# Altium PCB LimeSDR-USB_1v4.PcbDoc (part 5 of 10) (continued)
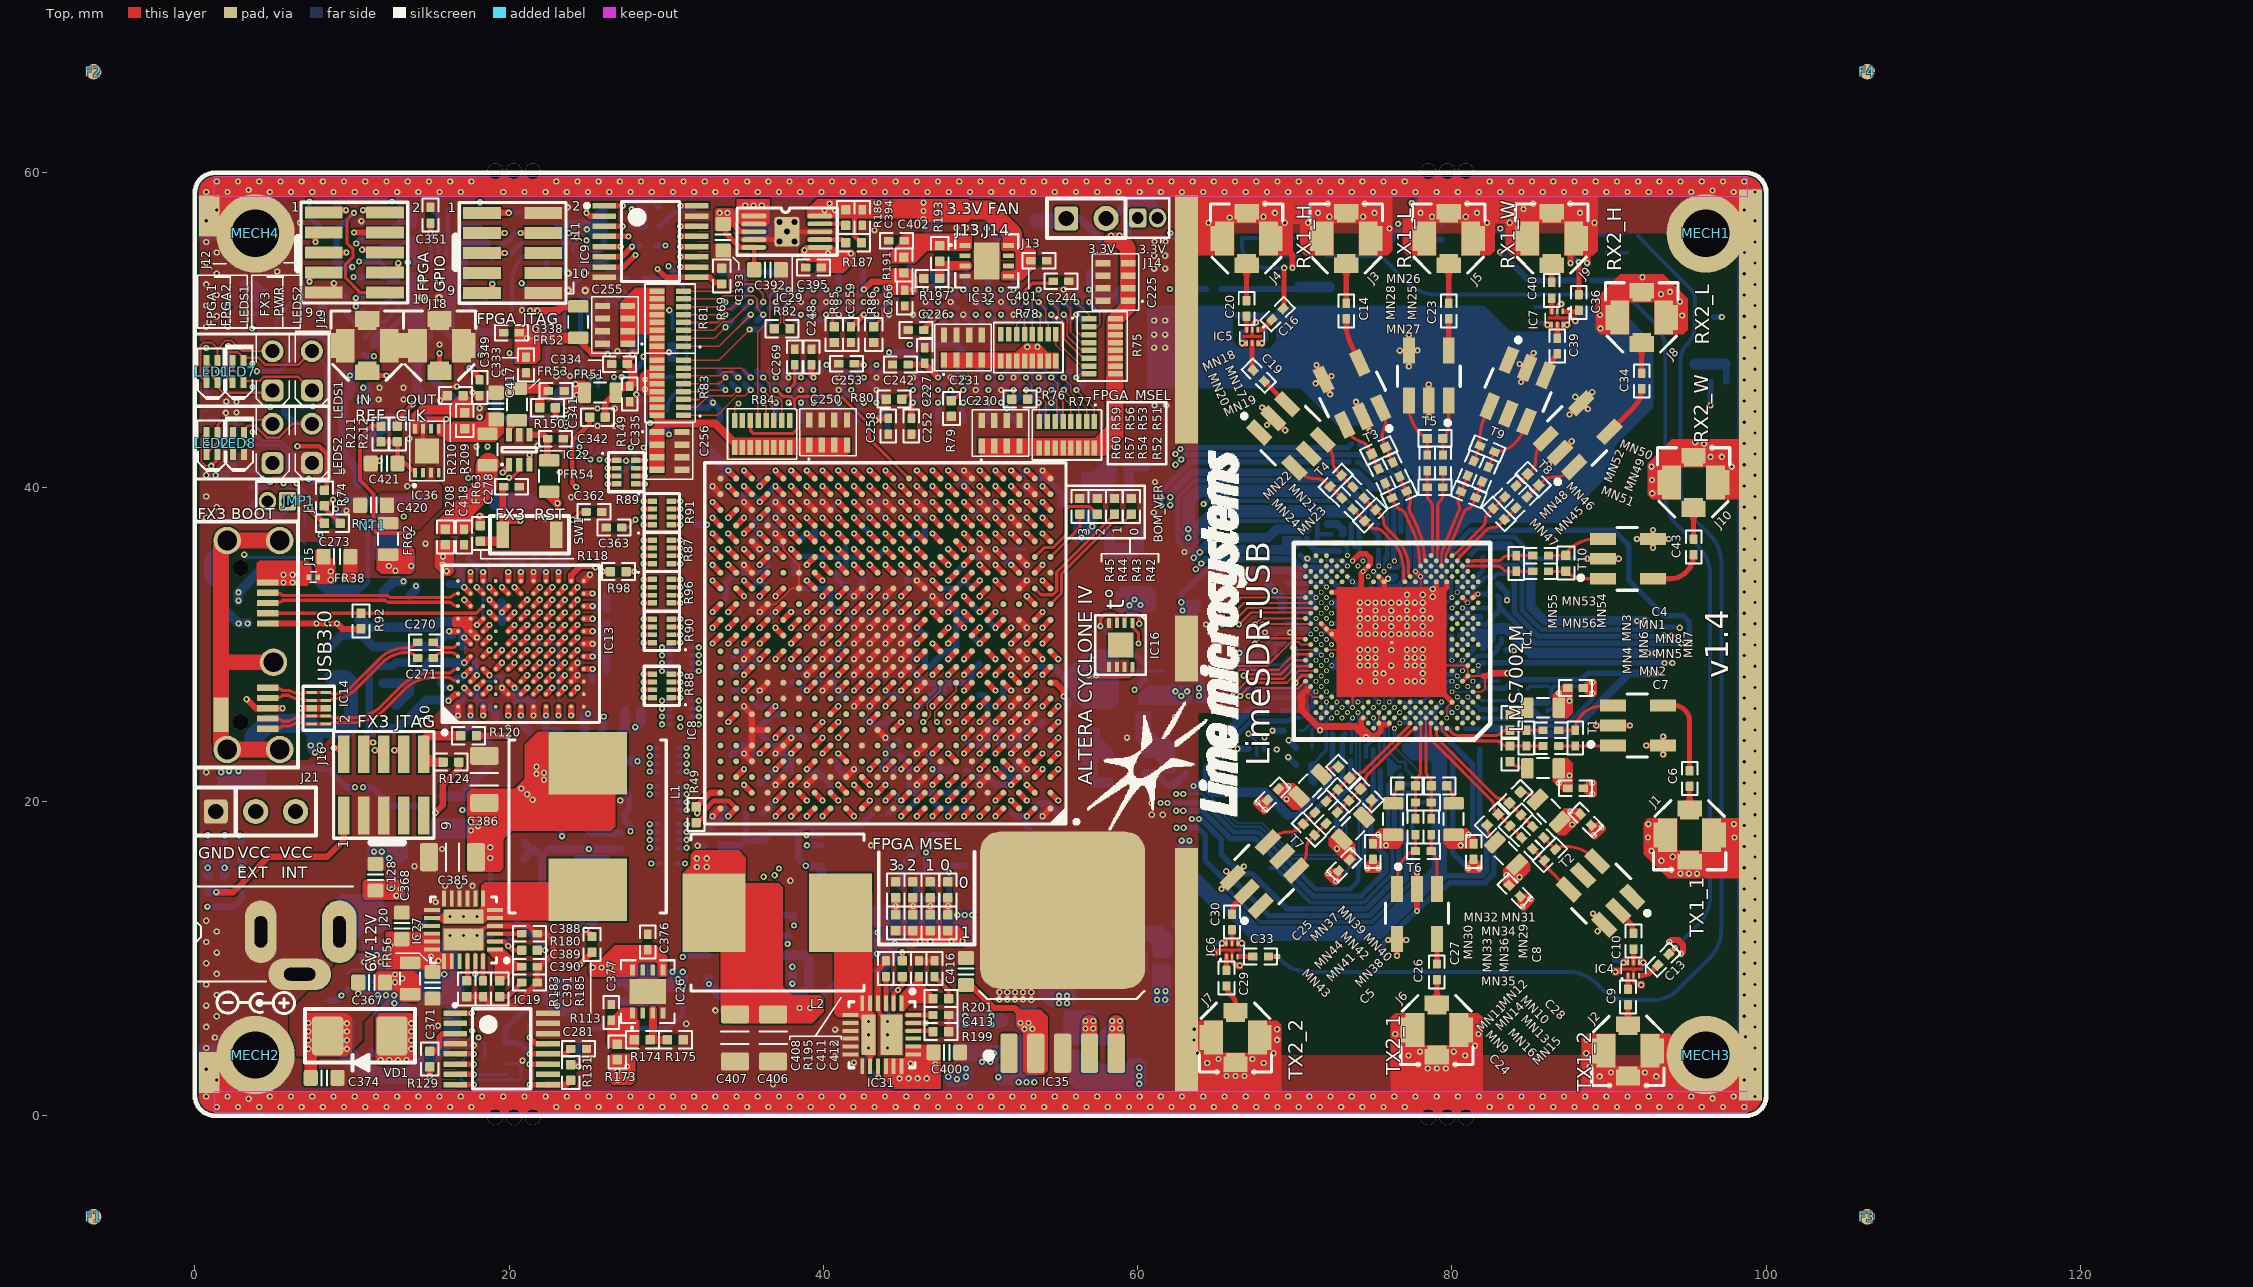
[diagram p0: Top view]
## Nets (pads, with @x,y where several pads share a name; then routed paths per layer and width w, separated by ;. In a path a pad name is that pad's centre, name@x,y a point inside that pad or via, vN(x,y) a via of type N, cw(c..) or ccw(c..) an arc to the next point about the centre after c; other vN are vias at no path point) (continued)
  Top w0.1: IC8.P19@36.45,32.55 36.95,32.55 37.95,33.55 IC8.R17@38.45,33.55 IC8.T17@38.45,34.55 38.45,35.045 37.45,36.045 IC8.V18@37.45,36.55
  Top w0.11: 70.876,27.173 70.876,26.899 71.129,26.646 IC1.G31@71.681,26.646 ; IC1.T30@72.014,29.643 75.661,29.643 ; v4(73.679,25.98) 73.679,27.661 75.154,29.136 75.661,29.643 ; IC1.B20@75.344,24.981 IC1.D20@75.344,25.647 ; 78.008,31.99 v4(78.008,34.305) ; v4(79.673,25.314) 79.673,25.98 IC1.F6@80.006,26.313 ; IC1.L3@81.002,27.978 IC1.N3@81.002,28.545 ; IC1.L3@81.005,27.978 82.022,27.978 82.1,27.9 82.1,27.175 81.904,26.979 IC1.H2@81.338,26.979 IC1.H2@81.335,26.976 ; IC1.N3@81.005,28.644 77.675,28.644 77.63,28.644 76.146,30.128 75.661,29.643
  Top w0.2: R210.1@15.925,45.825 R210.1@16.075,45.825 ; IC27.25@17.1,11.225 17.7,11.825 18.25,11.825 18.4,11.975 18.625,11.975 IC27.4@18.725,12.075 ; IC31.4@43.475,6.775 43.575,6.675 43.575,6.45 43.725,6.3 43.725,5.75 IC31.25@44.325,5.15
  Top w0.25: IC36.9@14.525,42.55 IC36.7@14.525,43.7 14.525,44.05 14.8,44.325 v1(16,44.325)
  Top w0.3: IC29.4@35.575,55.75 37.175,55.75 ccw(c37.175,56.25) IC29.11@37.675,56.25 IC29.8@39.775,56.25 ; 70.876,27.173 IC1.J33@71.015,27.312 ; IC1.K4@80.672,27.645 IC1.L3@81.005,27.978
  Top w0.309: R183.2@17.3,7.575 C391.2@18.35,7.575 18.95,6.975 20.3,6.975 C390.2@21.8,8.475 21.8,9.332 22.805,10.337 22.804,11.171 22.4,11.575 C388.2@21.8,11.575 21.681,11.575 21.176,12.08 IC27.4@18.725,12.08 ; IC31.4@43.47,6.775 43.471,9.226 43.975,9.731 C408.2@43.975,9.85 ; C411.2@46.218,9.85 C412.2@47.075,9.85 ; R199.2@47.975,5.35 C413.2@47.975,6.4
  Top w0.35: v1(65.334,14.431) T7.3@66.047,15.138 ; v1(65.639,15.556) T7.3@66.047,15.149 ; T7.3@66.052,15.144 T7.3@66.047,15.149 ; v1(66.759,15.856) T7.3@66.047,15.149 ; v1(68.233,43.953) T4.2@68.449,44.169 ; 70.426,26.723 70.876,27.173 ; IC1.AA31@71.681,31.308 IC1.Y30@72.014,30.975 IC1.W29@72.347,30.642 72.861,30.128 ; IC1.AG29@72.347,33.306 72.968,33.306 v1@74.228,32.046 ; v4(73.679,35.304) 74.129,35.754 74.531,35.754 74.795,35.491 74.795,35.088 v4(74.345,34.638) 74.228,34.521 v1@74.228,32.046 ; 73.875,24.769 73.875,24.675 74.475,24.075 75.074,24.075 75.461,24.462 75.461,24.864 ; IC1.C23@74.345,25.314 74.36,25.299 74.228,25.168 74.228,24.795 74.711,24.311 74.825,24.198 ; IC1.AK20@75.344,34.305 IC1.AJ19@75.677,33.972 v1@75.677,30.597 ; IC1.B18@76.01,24.981 75.893,24.864 75.461,24.864 ; v1(76.68,48.682) T5.4@77.256,48.682 ; v1(77.26,47.671) T5.4@77.264,48.675 ; v1(77.26,49.686) T5.4@77.256,48.682 ; v1@77.675,28.644 IC1.F6@80.006,26.313 ; v4(77.675,34.638) v4(78.008,34.305) ; v1(77.808,48.7) T5.4@77.256,48.682 ; IC1.AJ9@79.007,33.972 79.007,32.989 ; IC1.AJ7@79.673,33.972 79.673,33.655 79.007,32.989 ; v1(84.298,47.833) T9.2@84.796,47.599 ; T9.2@84.964,48.036 v1(85.198,48.533) ; v1(87.476,44.618) T8.4@88.173,45.339 ; v1@87.93,45.665 T8.4@88.256,45.351 ; T8.4@88.229,45.323 T8.4@88.256,45.351 ; v1(88.651,44.968) T8.4@88.256,45.351 ; v1(88.926,46.043) T8.4@88.256,45.351 ; v1(88.974,12.853) 89.681,12.141 v1(89.274,11.733) ; v1(91.769,36.694) T10.4@92.794,36.694 ; v1(92.794,36.144) T10.4@92.794,36.694 ; v1(92.794,37.269) T10.4@92.794,36.694 ; v1(93.794,36.694) T10.4@92.794,36.694 ; v1@74.228,32.046 v1@75.677,30.597 ; 75.461,24.864 75.431,24.864 75.374,24.922 75.374,24.981 75.461,24.894 75.461,24.864 ; v1@75.677,30.597 76.146,30.128 78.008,31.99 78.154,32.136 79.007,32.989
  Top w0.4: v1(3.3,26.5) 3.875,25.925 v1(5.575,25.925) ; J15.5@4.637,31.325 v1(9.05,31.325) 9.4,30.975 R92.1@10.575,30.975 ; J12.9@8.2,52.375 8.65,52.375 8.85,52.575 v1@8.85,52.95 ; v1(10.4,7.775) C367.1@10.4,8.475 ; v1(15.6,45.5) R210.1@15.925,45.825 ; v1(16.75,25.459) IC13.A1@16.75,26.025 ; v1(17.15,32.825) IC13.B9@17.55,32.425 ; IC13.B7@17.55,30.825 v1(17.95,30.425) ; v1(17.675,46.025) 17.875,45.825 C349.2@18.125,45.825 ; v1(18.75,32.025) IC13.D8@19.15,31.625 ; v1(19.55,27.225) IC13.E2@19.95,26.825 ; v1(21.55,25.459) IC13.G1@21.55,26.025 ; IC13.G11@21.55,34.025 v1(21.55,34.591) ; IC13.K3@23.95,27.625 v1(24.35,28.025) ; IC13.K4@23.95,28.425 v1(24.35,28.825) ; IC13.L6@24.75,30.025 v1(25.316,30.025) ; IC13.L11@24.75,34.025 v1(25.15,34.425) ; v1(32.95,19.05) IC8.A22@33.45,19.55 ; v1(32.95,40.05) IC8.AA22@33.45,39.55 ; v1(34.95,26.05) IC8.G20@35.45,25.55 IC8.F20@35.45,24.55 ; v1(34.95,29.05) IC8.L20@35.45,29.55 ; v1(34.95,35.05) IC8.T20@35.45,34.55 ; v1(34.95,39.05) IC8.Y20@35.45,38.55 ; IC8.D20@35.45,22.55 v1(34.95,23.05) IC8.E20@35.45,23.55 IC8.F20@35.45,24.55 ; IC8.V20@35.45,36.55 v1(35.95,36.05) ; v1(35.95,27.05) IC8.J19@36.45,27.55 ; v1(35.95,32.05) IC8.P19@36.45,32.55 ; IC8.F19@36.45,24.55 IC8.F20@35.45,24.55 ; v1(36.95,21.05) IC8.C18@37.45,21.55 ; v2(36.95,23.05) IC8.E18@37.45,23.55 v2(37.95,24.05) ; v2(36.95,37.05) IC8.V18@37.45,36.55 ; v1(36.95,39.05) IC8.Y18@37.45,38.55 ; v1(38.95,21.05) IC8.C16@39.45,21.55 ; v1(38.95,28.05) IC8.K16@39.45,28.55 ; v1(38.95,39.05) IC8.Y16@39.45,38.55 ; v1(39.95,27.05) IC8.J15@40.45,27.55 ; v1(39.95,29.05) IC8.L15@40.45,29.55 ; v1(39.95,31.05) IC8.N15@40.45,31.55 ; v1(39.95,39.05) IC8.Y15@40.45,38.55 ; IC8.C14@41.45,21.55 v1(41.95,22.05) ; v1(41.95,26.05) IC8.H13@42.45,26.55 ; v1(41.95,28.05) IC8.K13@42.45,28.55 ; v1(41.95,29.05) IC8.L13@42.45,29.55 ; v1(41.95,30.05) IC8.M13@42.45,30.55 ; v1(41.95,31.05) IC8.N13@42.45,31.55 ; v1(41.95,33.05) IC8.R13@42.45,33.55 ; v1(42.95,26.05) IC8.H12@43.45,26.55 ; v1(42.95,28.05) IC8.K12@43.45,28.55 ; v1(42.95,29.05) IC8.L12@43.45,29.55 ; v1(42.95,30.05) IC8.M12@43.45,30.55 ; v1(42.95,31.05) IC8.N12@43.45,31.55 ; v1(42.95,39.05) IC8.Y12@43.45,38.55 ; IC8.F12@43.45,24.55 v1(43.95,24.05) ; v1(43.95,28.05) IC8.K11@44.45,28.55 ; v1(43.95,29.05) IC8.L11@44.45,29.55 ; v1(43.95,30.05) IC8.M11@44.45,30.55 ; v1(43.95,31.05) IC8.N11@44.45,31.55 ; v1(43.95,33.05) IC8.R11@44.45,33.55 ; v1(43.95,39.05) IC8.Y11@44.45,38.55 ; v1(44.95,28.05) IC8.K10@45.45,28.55 ; v1(44.95,29.05) IC8.L10@45.45,29.55 ; v1(44.95,30.05) IC8.M10@45.45,30.55 ; v1(44.95,31.05) IC8.N10@45.45,31.55 ; v1(45.95,21.05) IC8.C9@46.45,21.55 ; v2(45.95,23.05) IC8.E9@46.45,23.55 ; v1(45.95,27.05) IC8.J9@46.45,27.55 ; v1(45.95,34.05) IC8.R9@46.45,33.55 ; v1(45.95,39.05) IC8.Y9@46.45,38.55 ; v1(46.95,33.05) IC8.P8@47.45,32.55 ; v1(48.95,41.05) IC8.AB6@49.45,40.55 ; v1(49.95,21.05) IC8.C5@50.45,21.55 ; v2(49.95,24.05) IC8.F5@50.45,24.55 ; v2(49.95,36.05) IC8.U5@50.45,35.55 ; v1(49.95,39.05) IC8.Y5@50.45,38.55 ; v1(51.95,24.05) IC8.F3@52.45,24.55 ; v1(51.95,26.05) IC8.H3@52.45,26.55 ; v1(51.95,38.05) IC8.W3@52.45,37.55 ; IC8.D3@52.45,22.55 v2(52.95,22.05) ; IC8.L3@52.45,29.55 v2(52.95,29.05) ; IC8.N3@52.45,31.55 v1(52.95,31.05) ; IC8.R3@52.45,33.55 v2(52.95,34.05) ; IC8.U3@52.45,35.55 v2(52.95,35.05) ; v1(52.95,25.05) IC8.G2@53.45,25.55 ; v1(52.95,40.05) IC8.AA2@53.45,39.55 ; v1(53.95,19.05) IC8.A1@54.45,19.55 ; v1(53.95,41.05) IC8.AB1@54.45,40.55 ; v1(67.923,45.071) T4.2@68.489,44.505 ; T4.2@68.82,44.187 v1(69.386,43.621) ; 69.575,55.025 69.855,54.745 v1(69.855,53.95) ; v1(71.326,46.599) T3.4@71.817,46.828 ; v1(71.376,47.774) 71.813,46.837 T3.4@71.817,46.828 ; T3.4@71.492,47.527 71.813,46.837 T3.4@71.817,46.828 ; T3.4@72.135,46.146 T3.4@71.817,46.828 ; v1(72.251,45.899) T3.4@71.817,46.828 ; v1(72.339,47.072) 71.833,46.836 T3.4@71.817,46.828 ; v1(73.901,45.424) 74.331,44.502 T3.2@74.66,43.796 ; T3.2@74.017,45.202 74.341,44.507 v1(74.776,43.574) ; v1(75.939,11.176) 76.514,11.176 v1(77.089,11.176) ; v1(76.51,10.174) T6.6@76.51,11.244 ; v1(77.775,13.03) T6.2@77.775,14.1 ; T6.2@77.78,14.424 v1(77.78,15.494) ; T5.2@78.522,45.732 v1(78.522,46.532) ; v1(78.53,44.473) T5.2@78.53,45.273 ; 82.022,27.978 82.303,27.978 82.475,28.15 v1(83.525,28.15) ; v1(84.398,46.683) 84.473,46.758 84.473,47.276 T9.2@84.796,47.599 ; T8.2@86.878,42.176 v1(87.62,42.918) ; v1@87.545,54.325 J9.2@87.545,54.925 ; T8.4@87.876,44.97 T8.4@88.229,45.323 ; v1(88.594,35.438) v1(90.619,35.438) ; v1@88.605,54.325 88.605,54.9 ; v1(89.186,24.823) T1.2@90.255,24.823 v1(91.325,24.823) ; v1(92.366,23.553) T1.6@93.435,23.553 T1.6@93.439,23.557 ; v1(93.441,22.978) 93.441,23.553 v1(93.441,24.128) ; T1.6@93.442,23.549 T1.6@93.446,23.553 ; v1(93.825,11.05) 93.95,11.175 94.407,11.175 94.7,10.882 94.7,10.425 v1(94.575,10.3)
  Top w0.45: 70.426,26.723 70.426,25.819 71.476,24.769 71.6,24.769 73.875,24.769
  Bottom w0.11: C57.2@70.876,31.599 70.924,31.599 71.211,31.311 71.653,31.311 C53.2@71.653,31.342
  Bottom w0.13: C75.2@76.351,23.614 76.351,23.461 78.523,21.289 78.523,20.227 C67.2@78.24,19.944
  Bottom w0.15: C47.2@69.571,29.219 69.571,29.114 69.151,28.694 68.407,28.694 68.226,28.875 68.226,29.989 68.221,29.994 68.221,30.006 68.965,30.75 v1(69.7,30.75)
  Bottom w0.17: v1(72.64,14.927) 72.64,14.939 74.065,16.364 74.065,19.989 74.531,20.455 C78.2@74.531,22.246
  Bottom w0.2: IC25.D2@11.138,8.513 IC25.C2@11.538,8.513 ; R160.2@11.775,55.35 13.075,55.35 13.25,55.525 ; C280.2@59.325,28.275 59.325,28.3 61.675,28.3 ; v1(67.05,24.3) 67.575,23.775 67.575,22.952 67.625,22.902 ; C65.2@72.846,26.769 72.846,26.699 73.564,25.98 v4(73.679,25.98) ; C73.2@76.956,26.814 76.956,27.463 v1(77.141,27.648) ; 78.651,32.544 C100.2@78.971,32.544 ; 78.971,32.224 C100.2@78.971,32.544 ; 78.971,32.864 C100.2@78.971,32.544
  Bottom w0.25: v1(20.825,51.25) 20.825,51.575 21.063,51.813 IC20.7@22.375,51.813 23.05,51.813 IC20.25@24.3,53.063 24.496,53.259 24.514,53.277 24.375,53.277 24.375,53.809 24.653,54.088 25.186,54.088 25.186,53.948 25.55,54.313 IC20.19@26.225,54.313 ; IC20.25@24.375,52.316 24.653,52.038 25.186,52.038 25.186,52.177 25.55,51.813 IC20.1@25.55,51.138 ; IC20.22@26.225,52.813 27,52.813 27.55,52.263 ; 63.251,35.924 65.177,37.85 71.29,37.85 C96.2@71.421,37.719 ; v1(65.334,14.431) 65.409,14.356 65.769,14.356 67.8,12.325 74.911,12.325 77.481,14.895 77.481,19.881 C66.2@77.544,19.944 C67.2@78.24,19.944 ; 68.45,15.756 68.817,15.756 70.998,13.575 74.393,13.575 76.231,15.413 76.231,17.375 75.925,17.681 75.925,21.07 C68.2@76.05,21.195 ; C72.2@84.806,27.144 84.987,27.325 86.15,27.325 86.325,27.15 ; C74.2@86.094,25.719 86.094,25.847 86.305,25.847 86.519,26.061 86.519,26.51 86.325,26.704 86.325,27.15 ; v1(88.93,27.572) 88.68,27.322 86.497,27.322 86.325,27.15
  Bottom w0.29: v1(64.2,38.925) 64.395,39.12 73.351,39.12 74.021,38.45 74.021,38.08 74.026,38.075 74.026,37.544 74.101,37.469
  Bottom w0.3: 11.3,48.9 11.3,49.057 11.325,49.082 11.325,49.35 11.45,49.475 11.875,49.475 13.1,50.7 IC23.10@14,50.7 ; IC20.12@22.375,54.313 IC20.11@22.375,53.813 IC20.25@23.55,53.813 ; v5(23.75,53.613) IC20.25@24.3,53.063 ; R114.1@23.9,13.275 24.11,13.485 24.11,16.254 24.306,16.45 26.25,16.45 27.125,15.575 ; IC20.25@24.496,53.259 24.35,53.259 24.35,53.82 24.55,54.02 IC20.16@24.55,54.988 ; 27.55,52.213 R140.1@28.55,51.213 ; C151.2@37.45,37.525 36.425,37.525 C103.2@36.425,38.575 37.4,39.55 C185.2@37.45,39.55 ; 63.233,35.942 63.047,36.128 62.952,36.128 62.572,36.509 62.572,39.341 63.656,40.425 73.77,40.425 75.295,38.9 75.321,38.9 ; 67.74,26.589 69.101,26.589 C61.2@69.876,26.589 70.28,26.589 70.376,26.685 ; C50.2@70.044,28.031 C51.2@70.756,28.031 ; C56.2@70.101,31.874 70.101,32.144 70.459,32.501 70.876,32.501 ; C45.2@70.201,33.314 71.008,33.314 v4(71.348,32.973) 70.876,32.501 ; C55.2@70.596,26.294 70.596,26.465 70.376,26.685 ; C51.2@70.801,28.031 70.801,27.499 70.666,27.364 70.547,27.364 70.376,27.192 70.376,26.685 ; C57.2@70.876,31.599 70.876,32.501 ; C96.2@71.421,37.719 71.421,36.654 C98.2@71.526,36.549 ; 71.561,36.999 C95.2@72.301,36.999 ; C58.2@72.851,30.739 74.051,30.739 v1(74.141,30.648) ; C48.2@72.851,31.839 73.951,31.839 v1(74.141,31.648) ; v1(74.141,29.648) 74.301,29.808 74.301,30.094 74.731,30.094 ; 74.871,33.249 C92.2@74.871,33.844 ; C86.2@75.321,38.419 75.321,38.9 ; C91.2@75.733,39.207 75.426,38.9 75.321,38.9 ; v2(75.926,34.169) 76.231,34.169 C85.2@76.376,34.314 ; v1(78.141,27.648) 78.576,27.648 C81.2@78.821,27.894 ; C93.2@80.451,35.749 80.451,35.919 81.357,36.825 83.975,36.825 85.362,35.438 v1(88.594,35.438) ; C83.2@81.149,25.836 81.697,25.289 82.546,25.289 82.573,25.262 85.092,25.262 85.535,24.819 87.251,24.819 88.93,26.498 v1(88.93,26.872) ; C89.2@82.506,34.869 82.686,35.049 84.06,35.049 84.455,34.654 84.455,32.153 85.676,30.931 92.625,30.931 92.794,31.1 94.1,31.1
  Bottom w0.309: v5(16.25,11.475) v5(17.1,11.475) R184.1@18.975,11.475 ; v5(44.075,4.3) v5(44.075,5.15) v5(44.075,6) R200.2@44.075,7.025 ; v1(74.141,27.648) 74.141,27.199 C79.2@74.546,26.794
  Bottom w0.35: 38.15,34.525 38.15,35.3 C104.2@38.45,35.6 39.375,35.6 C176.2@39.425,35.55 41.425,35.55 ; C105.2@41.45,36.55 41.425,36.525 41.425,35.55 ; v1(41.95,33.05) 40.8,34.2 C116.1@40.8,34.225 40.8,34.5 40.875,34.575 41.147,34.575 41.425,34.853 41.425,35.55 ; C107.2@42.425,35.525 42.4,35.55 41.425,35.55 ; 62.25,12.275 C32.1@63.7,10.825 ; 69.936,17.243 69.936,18.086 73.025,21.175 73.025,24.113 C62.2@73.201,24.289 ; C99.2@70.349,35.671 70.681,35.339 C97.2@71.451,35.339 ; C82.2@74.101,36.799 74.101,37.469 ; v4(74.345,34.638) 74.795,35.088 C88.2@74.795,35.369 ; 75.532,10.825 79.207,14.499 79.509,14.499 79.834,14.824 82.113,14.824 82.655,15.366 82.655,17.582 81.775,18.462 81.775,23.305 C87.2@81.771,23.309 ; C64.2@79.125,24.064 79.126,23.908 80.05,22.984 80.05,16.729 v1(81.03,15.749)
  Bottom w0.4: C361.1@9.55,52.175 C361.1@9.6,52.175 ; R127.1@15.646,27.875 15.646,27.504 15.925,27.225 v2(16.25,27.225) ; C325.1@22.475,47.788 C340.1@22.475,48.813 ; v1(32,17.175) C160.2@32.45,17.175 ; IC12.J3@37.375,47.375 v1(37.775,46.975) ; IC12.H2@38.175,46.575 v1(38.575,46.175) ; IC12.H8@38.175,51.375 v1(38.575,51.775) ; IC12.F8@39.775,51.375 v1(40.175,51.775) ; IC12.E3@40.575,47.375 v1(40.975,46.975) ; IC12.E7@40.575,50.575 v1(40.975,50.975) ; v1(40.975,46.175) IC12.D2@41.375,46.575 ; IC12.D8@41.375,51.375 v1(41.775,51.775) ; IC12.B2@42.975,46.575 v1(43.375,46.175) ; IC12.B8@42.975,51.375 v1(43.375,51.775) ; v1(43.375,46.975) IC12.A3@43.775,47.375 ; IC12.A7@43.775,50.575 v1(44.175,50.975) ; v1(45.7,46.975) IC11.A7@46.1,47.375 ; v1(45.7,50.975) IC11.A3@46.1,50.575 ; C201.2@46.45,29.55 C208.2@46.45,28.55 46.743,28.55 47.743,29.55 48.157,29.55 48.45,29.843 C114.2@48.45,30.391 ; v1(46.5,46.175) IC11.B8@46.9,46.575 ; v1(46.5,51.775) IC11.B2@46.9,51.375 ; v1(46.95,33.05) 46.98,33.05 47.48,32.55 48.425,32.55 C152.2@48.425,32.525 48.45,32.5 48.45,31.55 ; v1(48.1,46.975) IC11.D8@48.5,46.575 ; v1(48.1,51.775) IC11.D2@48.5,51.375 ; C114.2@48.45,30.525 48.45,31.55 ; v1(48.9,50.975) IC11.E3@49.3,50.575 ; C181.2@49.45,31.525 49.425,31.55 48.45,31.55 ; v1(49.7,46.175) IC11.F8@50.1,46.575 ; v1(49.7,51.775) IC11.F2@50.1,51.375 ; v1(51.3,46.175) IC11.H8@51.7,46.575 ; v1(51.3,51.775) IC11.H2@51.7,51.375 ; C157.2@51.45,22.575 51.45,21.843 51.743,21.55 52.45,21.55 v2(52.95,22.05) ; v1(52.1,46.975) IC11.J7@52.5,47.375 ; v1(52.1,50.975) IC11.J3@52.5,50.575 ; v1(55.3,52.575) IC11.N1@55.7,52.175 ; 65.65,50.925 C21.1@66.675,50.925 C22.1@68.2,50.925 69.2,50.925 ; v1(75.141,28.648) 75.641,28.648 R11.2@75.921,28.929 ; v1(75.141,29.648) 75.202,29.648 R11.2@75.921,28.929 ; v1(77.141,29.648) 76.641,29.648 R11.2@75.921,28.929 ; 79.086,31.739 C101.2@81.801,31.739 ; C84.2@82.281,28.069 82.281,28.075 82.84,28.075 82.95,28.185 83.49,28.185 v1(83.525,28.15) ; C102.2@82.931,33.844 83.5,33.275 v1(83.5,32.8) ; C71.2@83.456,29.619 83.931,29.619 v1(83.95,29.6) ; v1(97.95,18.55) 98.325,18.55
  Bottom w0.5: 10.75,23.675 10.8,23.725 10.8,23.978 11.1,24.278 C301.1@11.1,26.1 11.1,28.136 11.564,28.6 12.575,28.6 C302.2@12.81,28.835 13.86,28.835 C300.2@13.875,28.85
  Bottom w0.6: C352.2@13.85,56.8 13.85,57.6 R161.2@13.975,57.725 ; 17.1,53.325 C357.1@17.1,55.475 ; C357.1@17.15,55.525 18.55,55.525
  Bottom w1: XO2.2@19.2,39.025 19.275,39.1 21.3,39.1
  other v1: 90.025,1.925 92.375,1.925 36.8,2 1.4,2.275 98.6,2.275 89.4,2.5 93,2.5 65.65,2.525 66.225,2.525 66.8,2.525 90.125,2.75 92.275,2.75 65.05,2.775 67.4,2.775 0.725,2.95 99.275,2.95 78.465,3 79.04,3 79.615,3 88.775,3.125 77.865,3.25 80.215,3.25 64.425,3.35 68.025,3.35 41.95,3.375 20.85,3.5 65.15,3.6 67.3,3.6 40.775,3.775 77.24,3.825 80.84,3.825 63.8,3.975 68.65,3.975 88.55,3.975 77.965,4.075 80.115,4.075 0.725,4.3 99.275,4.3 76.615,4.45 81.465,4.45 17.75,4.475 40.75,4.625 63.575,4.825 68.875,4.825 88.575,4.825 1.275,4.975 98.675,5.025 76.39,5.2 81.69,5.2 40.75,5.475 63.6,5.5 68.875,5.5 0.725,5.65 99.275,5.65 15.475,5.725 31.275,5.85 1.4,6.325 98.6,6.325 33.125,6.7 0.725,7 99.275,7 53.225,7.375 51.2,7.4 51.7,7.4 52.2,7.4 52.7,7.4 1.4,7.675 98.6,7.675 51.2,7.85 51.7,7.85 52.2,7.85 52.7,7.85 53.225,7.85 92.05,8.325 0.725,8.35 99.275,8.35 1.4,9.025 98.6,9.025 90.4,9.15 66.5,9.55 0.725,9.7 99.275,9.7 1.4,10.375 64.85,10.375 98.6,10.375 0.725,11.05 99.275,11.05 1.4,11.725 98.6,11.725 0.725,12.4 99.275,12.4 98.6,13.075 84.494,13.314 15.325,13.6 99.275,13.75 84.989,13.809 98.6,14.425 15.925,14.625 16.825,14.625 17.675,14.625 37.9,14.95 99.275,15.1 94.55,15.4 95.075,15.4 95.6,15.4 72.145,15.422 93.95,15.65 74.63,15.749 75.33,15.749 81.73,15.749 98.6,15.775 13.975,15.875 93.325,16.225 99.275,16.45 94.05,16.475 92.7,16.85 15.725,16.975 98.6,17.125 43.025,17.2 92.475,17.7 97.975,17.7 99.275,17.8 89.019,17.84 89.514,18.335 98.6,18.475 92.5,18.55 60.9,19.15 61.6,19.15 99.275,19.15 68.09,19.477 98.6,19.825 60.875,19.9 67.62,19.947 27.075,20.05 88.93,20.472 99.275,20.5 88.93,21.172 98.6,21.175 0.725,21.85 99.275,21.85 98.6,22.525 99.275,23.2 68.85,23.3 98.6,23.875 59.319,24.056 74.525,24.1 71.6,24.525 99.275,24.55 19.925,24.7 47.95,25.05 98.6,25.225 62.375,25.375 99.275,25.9 98.6,26.575 99.275,27.25 76.141,27.638 75.141,27.648 77.641,27.648 98.6,27.925 75.141,28.148 75.641,28.148 78.141,28.148 99.275,28.6 74.141,28.648 74.641,28.648 76.141,28.638 77.141,28.648 77.641,28.648 78.141,28.648 74.141,29.148 74.641,29.148 75.141,29.148 77.141,29.148 77.641,29.148 78.141,29.148 98.6,29.275 74.641,29.648 76.141,29.638 77.641,29.648 78.141,29.648 99.275,29.95 75.641,30.638 76.141,30.638 98.6,30.625 74.641,30.648 75.141,30.648 76.641,30.648 77.141,30.648 77.641,30.648 78.141,30.648 78.641,30.648 68.1,30.75 94.5,31.05 74.141,31.148 75.141,31.148 76.141,31.138 77.141,31.148 78.141,31.148 64.35,31.25 99.275,31.3 7.75,31.325 8.425,31.325 74.641,31.648 75.141,31.648 75.641,31.638 76.141,31.638 76.641,31.648 77.141,31.648 77.641,31.648 78.141,31.648 78.641,31.648 98.6,31.975 76.141,32.138 74.141,32.148 75.141,32.148 77.141,32.148 78.141,32.148 74.141,32.648 74.641,32.648 75.141,32.648 75.641,32.638 76.141,32.638 76.641,32.648 77.141,32.648 77.641,32.648 78.141,32.648 99.275,32.65 78.776,33.019 77.141,33.148 78.141,33.148 98.6,33.325 78.776,33.519 99.275,34 9.5,34.175 98.6,34.675 99.275,35.35 70.8,35.45 62.975,35.875 98.6,36.025 14.675,36.4 99.275,36.7 98.6,37.375 22.275,38.025 0.725,38.05 99.275,38.05 13.3,38.125 61.025,38.375 9.65,38.5 1.4,38.725 98.6,38.725 23.95,39.35 0.725,39.4 99.275,39.4 92.75,39.6 9.15,39.65 13.525,40.05 98.6,40.075 61.1,40.325 92.725,40.45 0.725,40.75 99.275,40.75 23.225,40.95 9.375,41 17.375,41.1 92.7,41.3 97.8,41.3 98.6,41.425 86.176,41.468 11.775,41.675 96.45,41.925 97.175,41.925 99.275,42.1 96.55,42.5 17.925,42.575 18.625,42.575 21.825,42.625 96.05,42.75 98.6,42.775 95.475,42.85 13.65,43.075 99.275,43.45 25.625,43.9 26.725,43.9 98.6,44.125 18.125,44.45 1.975,44.725 2.65,44.75 99.275,44.8 25.625,45 26.725,45 18.125,45.025 61.075,45.2 61.825,45.2 2.65,45.425 2,45.45 98.6,45.475 11.7,45.575 13.275,45.575 87.851,45.743 28.1,45.9 11.75,46.325 13.275,46.325 16.675,46.4 23,47.05 23.875,47.075 19.675,47.3 26.9,48.65 0.725,48.85 61.05,48.875 61.75,48.875 15.575,49.075 61.05,49.7 61.75,49.7 89.45,50.1 0.725,50.2 2.1,50.2 67.534,50.484 87.85,50.575 61.05,50.6 61.75,50.6 1.4,50.875 94.65,50.925 89.425,50.95 0.725,51.55 86.95,51.65 94.5,51.8 5.25,51.95 1.4,52.225 93.3,52.275 93.875,52.425 0.725,52.9 8.85,52.975 92.125,53.35 1.4,53.575 5.25,53.725 61.05,53.9 61.75,53.9 0.725,54.25 87.545,54.25 88.605,54.25 61.05,54.725 61.75,54.725 1.4,54.925 0.725,55.6 61.075,55.625 61.775,55.625 43.25,56.35 76.025,56.45 48.475,56.5 49.075,56.5 49.675,56.5 6.7,56.825 64.509,56.825 69.359,56.825 70.85,56.825 82.225,56.825 83.675,56.825 89.075,56.825 10.6,56.925 0.725,56.95 65.859,57.15 68.009,57.2 72.2,57.2 74.35,57.2 78.725,57.2 80.875,57.2 68.734,57.45 71.475,57.45 75.075,57.45 78,57.45 81.6,57.45 88.15,57.45 1.4,57.625 84.55,57.7 23.725,57.8 68.109,58.025 72.1,58.025 74.45,58.025 80.975,58.025 85.175,58.025 87.525,58.025
  other v2: 99.275,46.15 98.6,46.825 99.275,47.5 98.6,48.175 99.275,48.85 98.6,49.525 99.275,50.2 98.6,50.875 99.275,51.55 98.6,52.225 99.275,52.9 98.6,53.575 99.275,54.25 98.625,54.925 99.275,55.6 99.275,56.95 98.6,57.625
  other v3: 1.4,0.55 2.75,0.55 4.1,0.55 5.45,0.55 6.8,0.55 8.15,0.55 9.5,0.55 10.85,0.55 12.2,0.55 13.55,0.55 14.9,0.55 16.25,0.55 17.6,0.55 23,0.55 24.35,0.55 25.7,0.55 27.05,0.55 28.4,0.55 29.75,0.55 31.1,0.55 32.45,0.55 33.8,0.55 35.15,0.55 36.5,0.55 37.85,0.55 39.2,0.55 40.55,0.55 41.9,0.55 43.25,0.55 44.6,0.55 45.95,0.55 47.3,0.55 48.65,0.55 50,0.55 51.35,0.55 52.7,0.55 54.05,0.55 55.4,0.55 56.75,0.55 58.1,0.55 59.45,0.55 60.8,0.55 62.15,0.55 63.5,0.55 64.85,0.55 66.2,0.55 67.55,0.55 68.9,0.55 70.25,0.55 71.6,0.55 72.95,0.55 74.3,0.55 75.65,0.55 77,0.55 82.4,0.55 83.75,0.55 85.1,0.55 86.45,0.55 87.8,0.55 89.15,0.55 90.5,0.55 91.85,0.55 93.2,0.55 94.55,0.55 95.9,0.55 97.25,0.55 98.6,0.55 3.425,1.075 96.575,1.1 0.725,1.225 2.075,1.225 4.775,1.225 6.125,1.225 7.475,1.225 8.825,1.225 10.175,1.225 11.525,1.225 12.875,1.225 14.225,1.225 15.575,1.225 16.925,1.225 18.275,1.225 19.625,1.225 20.975,1.225 22.325,1.225 23.675,1.225 25.025,1.225 26.375,1.225 27.725,1.225 29.075,1.225 30.425,1.225 31.775,1.225 33.125,1.225 34.475,1.225 35.825,1.225 37.175,1.225 38.525,1.225 39.875,1.225 41.225,1.225 42.575,1.225 43.925,1.225 45.275,1.225 46.625,1.225 47.975,1.225 49.325,1.225 50.675,1.225 52.025,1.225 53.375,1.225 54.725,1.225 56.075,1.225 57.425,1.225 58.775,1.225 60.125,1.225 61.475,1.225 62.825,1.225 64.175,1.225 65.525,1.225 66.875,1.225 68.225,1.225 69.575,1.225 70.925,1.225 72.275,1.225 73.625,1.225 74.975,1.225 76.325,1.225 77.675,1.225 79.025,1.225 80.375,1.225 81.725,1.225 83.075,1.225 84.425,1.225 85.775,1.225 87.125,1.225 88.475,1.225 89.825,1.225 91.175,1.225 92.525,1.225 93.875,1.225 95.225,1.225 97.925,1.225 99.275,1.225 0.725,58.775 2.075,58.775 4.775,58.775 6.125,58.775 7.475,58.775 8.825,58.775 10.175,58.775 11.525,58.775 12.875,58.775 14.225,58.775 15.575,58.775 16.925,58.775 19.625,58.775 20.975,58.775 22.325,58.775 23.675,58.775 25.025,58.775 26.375,58.775 27.725,58.775 29.075,58.775 30.425,58.775 31.775,58.775 33.125,58.775 34.475,58.775 35.825,58.775 37.175,58.775 38.525,58.775 39.875,58.775 41.225,58.775 42.575,58.775 43.925,58.775 45.275,58.775 46.625,58.775 47.975,58.775 49.325,58.775 50.675,58.775 52.025,58.775 53.375,58.775 54.725,58.775 56.075,58.775 57.425,58.775 58.775,58.775 60.125,58.775 61.475,58.775 62.825,58.775 64.175,58.775 65.525,58.775 66.875,58.775 68.225,58.775 69.575,58.775 70.925,58.775 72.275,58.775 73.625,58.775 74.975,58.775 76.325,58.775 77.675,58.775 79.025,58.775 80.375,58.775 81.725,58.775 83.075,58.775 84.425,58.775 85.775,58.775 87.125,58.775 88.475,58.775 89.825,58.775 91.175,58.775 92.525,58.775 93.875,58.775 95.225,58.775 97.925,58.775 99.275,58.775 96.575,58.875 3.425,58.9 1.4,59.45 2.75,59.45 4.1,59.45 5.45,59.45 6.8,59.45 8.15,59.45 9.5,59.45 10.85,59.45 12.2,59.45 13.55,59.45 14.9,59.45 16.25,59.45 17.6,59.45 23,59.45 24.35,59.45 25.7,59.45 27.05,59.45 28.4,59.45 29.75,59.45 31.1,59.45 32.45,59.45 33.8,59.45 35.15,59.45 36.5,59.45 37.85,59.45 39.2,59.45 40.55,59.45 41.9,59.45 43.25,59.45 44.6,59.45 45.95,59.45 47.3,59.45 48.65,59.45 50,59.45 51.35,59.45 52.7,59.45 54.05,59.45 55.4,59.45 56.75,59.45 58.1,59.45 59.45,59.45 60.8,59.45 62.15,59.45 63.5,59.45 64.85,59.45 66.2,59.45 67.55,59.45 68.9,59.45 70.25,59.45 71.6,59.45 72.95,59.45 74.3,59.45 75.65,59.45 77,59.45 82.4,59.45 83.75,59.45 85.1,59.45 86.45,59.45 87.8,59.45 89.15,59.45 90.5,59.45 91.85,59.45 93.2,59.45 94.55,59.45 95.9,59.45 97.25,59.45 98.6,59.45
  other v4: 72.014,30.309
  other v5: 17.95,11.475 14.45,52.05 15.55,52.05 23.75,52.513 24.85,52.513 14.45,53.15 15.55,53.15 24.85,53.613
LM75_OS: IC8.J6 IC16.3 R65.1 R133.1 | length 18
  Top w0.25: v1(57.625,31.15) 57.625,31.625 57.888,31.888 58.513,31.888 58.675,31.725 IC16.3@58.675,31.35
  Top w0.4: v2(48.95,27.05) IC8.J6@49.45,27.55
  L8 w0.1: v2(48.95,27.05) 49.6,26.4 53.3,26.4 55.475,28.575 55.475,29.363 57.262,31.15 v1(57.625,31.15)
  Bottom w0.25: v1(57.625,31.15) 59.325,29.45 R133.1@59.325,29.325
  Bottom w0.4: R133.1@59.325,29.325 59.9,29.325 R65.1@60.425,28.8
LMK_CLK: IC8.B12 IC20.15 | length 60.5
  Top w0.4: IC8.B12@43.45,20.55 v1(43.95,21.05)
  L10 w0.1: v1(24.3,55.9) 24.3,52.57 cw(c21.91,52.57) 23.6,50.88 22.044,49.324 ccw(c23.84,47.528) 21.3,47.528 21.3,45.127 ccw(c23.84,45.127) 22.044,43.331 28.038,37.337 ccw(c28.55,37.849) 28.55,37.125 cw(c28.55,36.401) 29.062,36.913 ; 29.062,36.913 29.188,36.788 cw(c28.373,35.973) 29.189,36.786 cw(c28.373,35.973) 29.525,35.973 29.525,33.5 ccw(c30.875,33.5) 30.875,32.15 31.346,32.15 cw(c31.346,31.296) 31.95,31.9 ccw(c32.554,32.504) 32.554,31.65 39.596,31.65 ccw(c39.596,32.504) 40.2,31.9 40.556,32.256 cw(c41.025,31.786) 41.025,32.45 47.125,32.45 cw(c47.125,31.95) 47.625,31.95 47.625,26.805 cw(c45.32,26.805) 46.95,25.175 44.654,22.879 ccw(c45.507,22.025) 44.3,22.025 44.3,21.895 cw(c43.105,21.895) v1(43.95,21.05)
  Bottom w0.25: IC20.15@24.05,54.988 24.05,55.325 24.3,55.575 v1(24.3,55.9)
LMS_CORE_LDO_EN: IC1.U33 IC8.B18 R5.1 | length 42.6
  Top w0.11: 70.401,29.976 IC1.U33@71.015,29.976
  Top w0.13: v1@65.625,28.025 65.659,28.025 66.249,28.615 68.231,28.615 69.75,30.134 70.244,30.134 70.401,29.976
  Top w0.4: v2(36.95,20.05) IC8.B18@37.45,20.55
  L9 w0.1: v2(36.95,20.05) 37.4,20.5 43.2,20.5 43.4,20.7 44.795,20.7 45.795,19.7 47.095,19.7 47.3,19.905 47.3,20.895 47.805,21.4 48.095,21.4 49.078,20.417 55.027,20.417 56.261,21.65 59.517,21.65 65.625,27.758 v1(65.625,28)
  Bottom w0.4: R5.1@36.025,19.2 36.1,19.2 v2(36.95,20.05)
LMS_DIQ1_D0: IC1.AG31 IC8.B17 | length 42.5
  Top w0.4: IC8.B17@38.45,20.55 v2(38.95,20.05)
  L4 w0.1: v2(38.95,20.05) 38.95,19.6 39.1,19.45 40.15,19.45 40.6,19.9 40.6,21.9 42.1,23.4 44.15,23.4 46.575,25.825 46.575,26.17 46.855,26.45 47.525,26.45 48.605,27.53 48.605,28.2 48.83,28.425 49.433,28.425 51.6,30.592 51.6,31.242 52.258,31.9 53.275,31.9 53.825,32.45 55.001,32.45 56.701,34.15 68.925,34.15 69.769,33.306 v4(71.681,33.306)
LMS_DIQ1_D1: IC1.AF30 IC8.B16 | length 42.2
  Top w0.4: IC8.B16@39.45,20.55 v2(39.95,20.05)
  L4 w0.1: v2(39.95,20.05) 40.2,20.05 40.4,20.25 40.4,22.005 41.995,23.6 44.067,23.6 46.375,25.908 46.375,26.253 46.772,26.65 47.442,26.65 48.405,27.613 48.405,28.283 48.772,28.65 49.375,28.65 51.4,30.675 51.4,31.325 52.175,32.1 53.192,32.1 53.742,32.65 54.9,32.65 56.6,34.35 69.008,34.35 69.433,33.925 72.188,33.925 72.339,33.774 72.339,33.298 v4(72.014,32.973)
LMS_DIQ1_D2: IC1.AF34 IC8.B15 | length 41.6
  Top w0.15: v1@64.868,31.268 66.573,32.973 IC1.AF34@70.682,32.973
  Top w0.4: IC8.B15@40.45,20.55 v2(40.95,20.05)
  L8 w0.1: v2(40.95,20.05) 40.475,20.05 40.25,20.275 40.25,20.845 43.55,24.145 44.805,25.4 55.7,25.4 56.425,26.125 56.425,28.992 56.833,29.4 57.525,29.4 ccw(c57.525,29.704) 57.829,29.704 57.829,29.896 cw(c58.133,29.896) 58.133,30.2 cw(c58.133,29.896) 58.437,29.896 58.437,29.4 58.437,29.004 ccw(c58.741,29.004) 58.741,28.7 ccw(c58.741,29.004) 59.045,29.004 59.045,29.096 cw(c59.349,29.096) 59.349,29.4 59.525,29.4 59.925,29.4 61.325,30.8 64.625,30.8 64.875,31.05 v1(64.875,31.261)